# KiCad board klofi.kicad_pcb (continued)
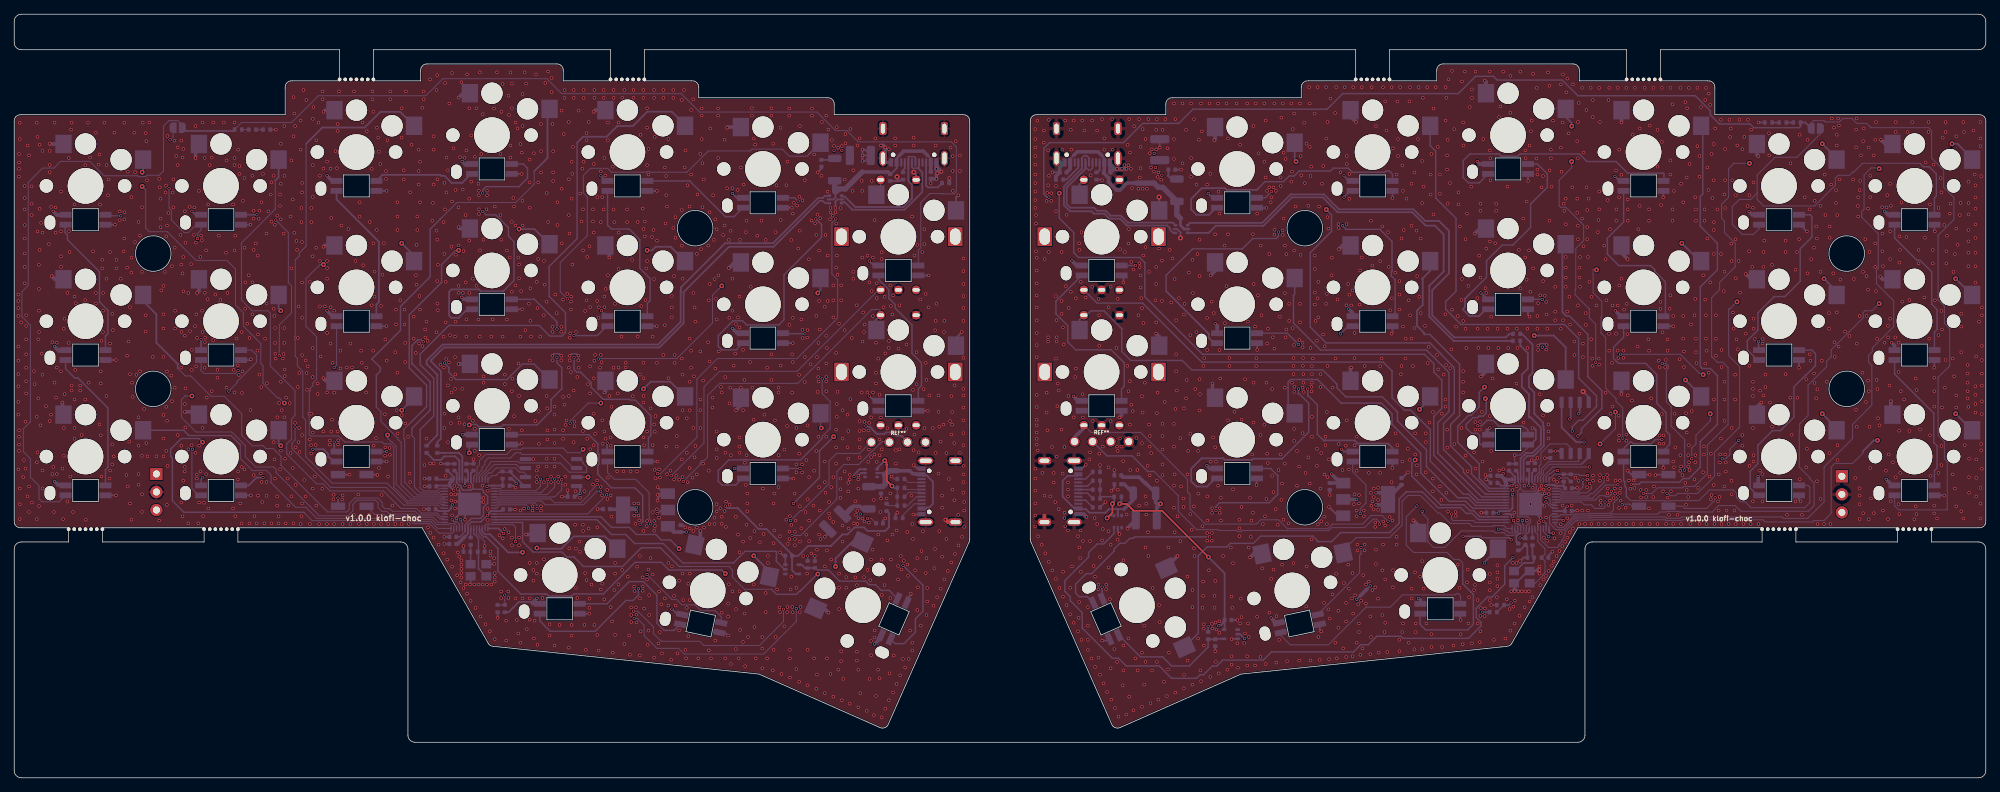
[diagram p0: board, top side]
## Routing (per net, layer and track width the routed paths; a pad name or vN(x,y) marks a point on that pad's centre or on a via; arc(x,y) is an arc through that point) (continued)
/left/VBUS_unfiltered: length 22.9
  Back w0.254: 123.18,84.9 124.08,85.8 J3.A4 124.08,87.2 124.29,87.41 124.29,87.43 124.68,87.82 ; 128.4,87.64 128.88,87.16 J3.B4 ; 114.72,81.42 115.22,81.42 115.48,81.68 115.48,82.62
  Back w0.508: 124.45,87.59 125.08,88.22 127.82,88.22 128.45,87.59 ; J3.B4 C7.1 ; 119.25,85.29 122.87,85.29 C6.1
  Back w0.762: 115.38,83.94 115.38,82.59 115.48,82.49 115.57,82.58 115.67,82.58 115.99,82.9 116.86,82.9 119.25,85.29
GND: length 167
  Front w0.508: v1(130.93,36.32) 131.04,36.32 131.36,36 J4.S4
  Back w0.152: R7.1 123.73,42.07 v1(123.38,42.42) ; v1(66.14,32.62) 66.14,33.29 65.01,34.42 U5.19 ; 127.68,37.07 127.63,37.12 J4.B1 ; 132.48,79.52 131.68,78.72
  Back w0.203: R18.2 v1(36.79,91.25) ; v1(75.68,59.42) 75.94,59.68 76.65,59.68 v1(76.91,59.42) ; C25.2 v1(112.58,31.22) ; C23.2 v1(63.18,32.62) ; v1(79.31,59.42) 79.05,59.68 78.39,59.68 v1(78.11,59.4) ; C22.2 v1(66.14,32.62)
  Back w0.254: 43.72,93.99 v1(43.49,93.75) ; v1(94.36,35.25) 94.06,35.56 C1.2 ; U5.57 64.28,38.82 v1(65.98,38.82) ; U5.57 63.67,38.88 v1(62.02,38.88) ; U5.57 62.68,39.87 62.68,40.32 62.4,40.6 v1(62.4,40.65) ; U5.57 62.18,36.71 v1(62.18,36.52) ; U5.57 64.88,39.42 v1(65.98,39.42) ; U5.57 63.39,37.93 v1(63.39,36.32) ; U5.57 63.38,37.92 v1(61.98,37.92) ; U5.57 62.65,39.9 v1(62.02,39.9) ; v1(57.67,42.12) C14.2 ; LED8.3 33.17,58.81 v1(33.28,58.92) ; SMDSW2.1 51.01,42.68 v1(51.08,42.62) ; R9.1 123.92,37.06 v1(124.18,37.32) ; C10.2 v1(60.48,32.92) ; v1(33.28,39.76) LED14.3 ; v1(118.69,42.52) 119.07,42.9 U4.2 ; EXLED1.3 128.57,70.72 v1(128.58,70.72) ; v1(71.38,47.12) 71.16,46.9 LED16.3 ; v1(33.23,51.77) 33.18,51.82 ; LED18.3 109.4,42.14 109.42,42.12 v1(109.58,42.12) ; C20.2 122.16,36.2 v1(122.48,36.52) ; LED21.3 125.48,25.13 126.08,25.72 v1(126.08,25.92) ; v1(122.99,88.5) 122.74,88.5 v1(122.49,88.75) ; C21.2 v1(121.88,39.32) ; LED5.3 90.27,82.62 90.28,82.62 v1(90.38,82.62) ; 25.49,88.74 SW2.2 ; U6.3 108.43,31.24 C24.2 108.18,31.25 v1(107.68,31.75) ; 132.43,79.75 132.43,81.69 v1(132.74,82) ; SW4.2 63.1,96.37 ; v1(64.08,27.22) 64.18,27.32 Y1.2 ; C8.2 v1(60.48,33.92) ; 127.68,37.07 v1(126.43,37.07) ; R5.1 124.68,84.21 124.49,84.02 124.24,84.02 ; U1.1 90.66,40 v1(90.48,39.82) ; U1.1 91.16,40 90.48,39.32 v1(90.48,39.02) ; U1.1 91.39,40 v1(90.48,40.92) ; v1(77.01,39.58) C3.2 77.83,40.46 v1(77.81,40.48) ; 73.4,34.25 SW19.2 ; LED11.3 v1(90.33,63.57) ; v1(80.85,23.09) LED19.3 ; C4.2 119.65,86.82 v1(119.28,86.82) v1(119.28,88.42) 119.65,88.42 C4.2 ; C4.2 v1(119.28,87.62) ; v1(115.48,80.22) 115.48,81.13 115.76,81.42 116.23,81.42 ; v1(100.38,20.02) 99.94,20.45 LED20.3 ; 124.24,84.02 C6.2 ; 124.24,84.02 124.24,84.5 v2(124.14,84.6) ; C11.2 v1(70.41,37.78) ; v1(90.48,44.52) 90.38,44.52 90.37,44.52 LED17.3 ; v1(57.61,37.82) C12.2 ; v1(71.36,85) LED4.3 ; C17.2 C18.2 60.04,44.2 v1(59.99,44.25) ; SMDSW1.1 v1(47.11,42.68) ; 96.47,33.56 SW20.2 ; v1(109.35,80.24) LED6.3 ; C5.2 113.49,85.75 v1(112.99,85.25) ; v1(52.33,63.57) LED9.3 ; 83.68,74.06 83.13,74.61 SW11.2 ; v1(113.98,33.92) 114.38,34.33 C19.2 ; EXSW2.S1 132.43,61.94 v1(133.24,62.75) ; v1(52.37,82.62) LED3.3 ; Y1.4 67.43,30.07 v1(67.48,30.12) ; v1(64.58,44.84) C9.2 C16.2 ; v1(14.18,77.86) LED1.3 ; 122.49,87.54 J3.S1 ; v2(126.49,85.25) 126.83,84.91 EXSW1.S1 ; 64.06,58.25 SW16.2 ; 6.78,51.27 SW13.2 ; J4.A1 126.98,43.52 v1(126.48,44.02) ; v1(128.88,83.72) C7.2 ; 25.58,51.52 SW14.2 ; v1(14.32,39.76) LED13.3 ; v1(96.49,34.75) 96.47,34.73 ; 5.01,89.22 v1(4.99,89.25) ; LED15.3 52.37,44.52 v1(52.38,44.52) ; v1(33.22,77.86) LED2.3 ; LED10.3 v1(71.41,65.95) ; v1(82.03,37.82) C2.2 ; v1(57.71,41.02) C13.2 ; C15.2 70.22,41.12 v1(70.49,40.85) ; v1(128.48,51.67) EXLED2.3 ; v1(109.48,61.19) LED12.3 ; R3.2 v1(67.98,22.52) ; v1(14.28,58.81) LED7.3 ; v1(72.99,44.87) 72.35,44.87
  Back w0.508: v1(25.71,68.25) 25.98,68.51 SW8.2 ; v1(121.88,89.02) 122.22,89.02 v1(122.49,88.75) 122.49,87.54 ; v1(81.49,93.75) 81.72,93.99 SW5.2 ; J3.B1 129.68,86.02 v1(130.38,85.32) ; J3.B1 v1(129.68,85.72) 129.68,85.55 129.9,85.32 v1(130.38,85.32) ; J3.B1 129.68,85.82 ; v1(82.99,54.25) 83.13,54.39 SW17.2 ; J3.A1 122.73,86.63 J3.S1 ; SW9.2 43.67,74.94 v1(43.49,74.75) ; SW3.2 43.72,93.99 ; v1(43.49,56.25) 43.85,55.89 SW15.2 ; SW1.2 5.01,89.22 ; R6.1 131.49,84.41 v1(131.48,84.42) ; 83.68,74.06 v1(83.68,73.25) ; v1(100.24,91.5) 100.34,91.6 SW6.2 ; SW21.2 113.89,23.85 v1(114.49,23.25) ; v1(5.28,70.62) 5.72,70.17 SW7.2 ; SW18.2 102.18,52.44 v1(101.49,51.75) ; SW12.2 101.29,72.55 v1(100.49,71.75) ; v1(62.49,77.52) 62.69,77.32 SW10.2 ; v1(130.38,85.32) 130.08,85.32 129.86,85.1 v1(129.79,85.1) 129.68,84.99 v1(129.68,84.32) 129.04,84.32 129.02,84.34 C7.2 ; v1(71.99,34.25) 73.4,34.25 ; v1(23.99,51.52) 25.58,51.52 ; 96.47,34.73 96.47,33.56 ; v1(25.49,87.25) 25.49,88.74 ; v1(62.49,58.25) 64.06,58.25 ; v1(6.78,52.82) 6.78,51.27 ; 63.1,96.37 v1(62.49,95.75)
  vias: v1(0.58,68.02) v1(0.58,67.12) v1(0.58,66.12) v1(0.58,65.02) v1(0.58,60.72) v1(0.58,58.72) v1(0.58,56.82) v1(0.58,55.12) v1(0.58,52.92) v1(0.58,51.12) v1(0.58,43.42) v1(0.68,87.82) v1(0.68,86.62) v1(0.68,85.72) v1(0.68,84.62) v1(0.68,48.92) v1(0.68,48.02) v1(0.68,46.92) v1(0.68,46.02) v1(0.78,92.22) v1(0.78,89.92) v1(0.78,40.72) v1(0.78,38.52) v1(0.78,36.42) v1(0.98,64.12) v1(1.28,42.32) v1(1.38,44.72) v1(1.48,83.32) v1(1.48,81.62) v1(1.48,80.02) v1(1.48,77.82) v1(1.48,75.92) v1(1.48,73.82) v1(1.48,71.92) v1(1.48,69.62) v1(1.58,50.12) v1(1.58,43.52) v1(1.68,65.12) v1(1.68,63.62) v1(1.68,61.72) v1(1.68,59.62) v1(1.68,57.72) v1(1.68,55.82) v1(1.68,54.12) v1(1.88,89.02) v1(1.88,39.62) v1(2.08,87.62) v1(2.08,41.02) v1(2.08,37.42) v1(2.46,83.25) v1(2.46,80.82) v1(2.46,79.22) v1(2.49,38.75) v1(2.78,57.25) v1(2.88,55.42) v1(3.18,92.22) v1(3.18,50.82) v1(3.18,44.42) v1(3.18,36.42) v1(3.28,90.22) v1(3.28,76.92) v1(3.28,45.82) v1(3.38,61.72) v1(3.38,53.42) v1(3.48,72.22) v1(3.48,68.82) v1(3.48,65.75) v1(3.49,62.75) v1(3.49,38.25) v1(3.58,89.12) v1(3.58,80.12) v1(3.58,74.32) v1(3.68,49.62) v1(3.78,78.12) v1(3.88,59.72) v1(3.99,88.25) v1(3.99,76.75) v1(3.97,56.73) v1(3.99,43.25) v1(3.99,40.75) v1(4.48,52.32) v1(4.88,75.12) v1(4.99,88.25) v1(4.99,86.26) v1(4.99,85.25) v1(4.99,50.22) v1(5.19,80.36) v1(5.18,51.12) v1(5.37,61.32) v1(5.37,42.75) v1(5.49,43.75) v1(5.58,37.42) v1(5.68,92.22) v1(5.68,55.62) v1(5.81,80.29) v1(5.83,76.75) v1(5.88,53.52) v1(5.99,61.25) v1(5.99,57.75) v1(5.99,42.75) v1(6.58,82.52) v1(6.58,76.92) v1(6.58,73.42) v1(6.58,71.92) v1(6.58,57.22) v1(6.78,43.52) v1(6.88,36.42) v1(6.98,63.22) v1(6.99,49.25) v1(6.98,45.32) v1(7.08,64.62) v1(7.08,54.02) v1(7.49,68.25) v1(7.48,38.92) v1(7.68,87.25) v1(7.7,76.96) v1(7.68,61.22) v1(7.78,74.02) v1(7.88,42.42) v1(7.99,91.25) v1(8.08,92.22) v1(8.08,55.22) v1(8.08,54.52) v1(8.28,37.42) v1(8.48,80.72) v1(8.49,67.75) v1(8.49,53.25) v1(8.49,49.25) v1(8.48,47.72) v1(8.58,57.42) v1(8.68,66.82) v1(9.28,55.22) v1(9.28,54.52) v1(9.49,48.25) v1(9.99,86.25) v1(9.99,67.25) v1(9.99,53.25) v1(10.08,36.32) v1(10.38,92.22) v1(10.48,55.62) v1(10.68,87.32) v1(11.08,74.12) v1(11.48,90.82) v1(11.49,68.25) v1(11.49,66.75) v1(11.88,86.32) v1(11.99,87.75) v1(11.99,49.75) v1(12.08,80.72) v1(12.18,57.22) v1(12.18,55.52) v1(12.18,48.22) v1(12.28,61.52) v1(12.28,42.42) v1(12.38,72.92) v1(12.38,71.72) v1(12.49,68.25) v1(12.49,65.75) v1(12.48,62.75) v1(12.68,92.22) v1(12.99,86.25) v1(12.99,70.25) v1(12.99,53.75) v1(13.18,82.02) v1(13.28,84.22) v1(13.38,42.12) v1(13.48,74.02) v1(13.48,61.12) v1(13.49,43.25) v1(13.78,65.32) v1(13.78,46.92) v1(13.78,44.12) v1(13.88,63.02) v1(13.99,45.25) v1(14.08,90.82) v1(14.38,72.92) v1(14.38,71.72) v1(14.85,79.73) v1(14.85,78.51) v1(14.99,70.25) v1(15.38,74.12) v1(15.48,92.22) v1(15.48,79.62) v1(15.48,78.62) v1(15.48,75.92) v1(15.78,42.62) v1(15.88,71.82) v1(15.88,59.42) v1(15.98,85.32) v1(15.98,41.02) v1(16.08,61.42) v1(16.18,47.32) v1(16.28,66.25) v1(16.28,56.82) v1(16.28,38.62) v1(16.49,81.75) v1(16.48,73.22) v1(16.48,71.12) v1(16.48,36.32) v1(16.58,55.62) v1(16.68,53.62) v1(16.88,90.82) v1(16.99,85.25) v1(16.98,75.42) v1(17.18,56.72) v1(17.49,78.25) v1(17.49,50.75) v1(17.49,46.75) v1(17.49,42.75) v1(17.49,41.25) v1(17.68,76.32) v1(17.68,57.22) v1(17.98,80.32) v1(17.97,71.22) v1(17.98,45.32) v1(17.98,39.92) v1(17.98,37.42) v1(18.08,92.22) v1(18.26,51.92) v1(18.49,90.75) v1(18.49,65.12) v1(18.49,62.82) v1(18.58,89.62) v1(18.58,47.12) v1(18.68,84.12) v1(18.74,45.25) v1(18.99,92.25) v1(19.49,59.25) v1(19.99,45.25) v1(20.38,84.32) v1(20.38,36.22) v1(20.48,83.12) v1(20.58,81.52) v1(20.58,78.72) v1(20.58,77.52) v1(20.68,68.62) v1(20.99,69.25) v1(20.99,65.25) v1(20.99,63.25) v1(20.99,59.25) v1(20.99,51.08) v1(20.99,47.75) v1(20.99,45.25) v1(21.18,71.22) v1(21.35,83.35) v1(21.28,82.42) v1(21.38,76.22) v1(21.38,52.22) v1(21.38,46.02) v1(21.49,77.75) v1(21.48,57.22) v1(21.49,50.25) v1(21.48,38.42) v1(21.57,90.34) v1(21.58,43.92) v1(21.68,79.52) v1(22.08,56.62) v1(22.18,72.02) v1(22.18,53.02) v1(22.28,82.42) v1(22.39,84.25) v1(22.38,80.32) v1(22.52,89.69) v1(22.58,74.62) v1(22.61,65.75) v1(22.61,63.25) v1(22.58,54.92) v1(22.78,87.52) v1(22.99,88.75) v1(22.99,86.25) v1(22.99,48.25) v1(23.38,76.42) v1(23.49,89.72) v1(23.49,72.25) v1(23.51,62.78) v1(23.49,57.75) v1(23.49,46.75) v1(23.49,38.75) v1(23.68,87.32) v1(23.68,71.02) v1(23.68,36.82) v1(23.78,88.52) v1(23.78,73.32) v1(23.81,68.48) v1(23.78,41.82) v1(23.99,79.75) v1(23.99,62.25) v1(23.99,52.62) v1(24.06,49.32) v1(23.99,43.75) v1(23.98,43.12) v1(24.08,75.32) v1(24.08,54.82) v1(24.49,68.25) v1(24.49,46.25) v1(24.48,35.82) v1(24.69,80.36) v1(24.71,62.88) v1(24.88,72.32) v1(24.99,60.25) v1(24.98,57.42) v1(24.96,46.82) v1(25.31,80.29) v1(25.28,76.42) v1(25.41,63.58) v1(25.49,91.75) v1(25.54,75.33) v1(25.49,45.75) v1(25.61,65.25) v1(25.58,57.92) v1(25.71,61.92) v1(25.68,42.69) v1(25.68,42.12) v1(25.88,35.82) v1(25.98,82.62) v1(25.99,46.75) v1(25.99,38.75) v1(26.18,73.32) v1(26.18,43.12) v1(26.28,76.32) v1(26.38,75.69) v1(26.41,65.75) v1(26.49,92.25) v1(26.49,62.75) v1(26.49,49.25) v1(26.55,36.83) v1(26.68,38.72) v1(26.78,87.25) v1(26.81,68.28) v1(26.83,61.95) v1(26.81,61.34) v1(26.78,57.72) v1(26.99,74.25) v1(26.99,42.75) v1(27.08,53.52) v1(27.21,67.38) v1(27.28,80.72) v1(27.28,37.92) v1(27.49,86.25) v1(27.78,87.32) v1(27.78,54.42) v1(27.99,92.25) v1(27.98,61.62) v1(28.28,68.02) v1(28.58,57.42) v1(28.58,56.32) v1(28.78,76.32) v1(28.99,67.25) v1(29.49,92.25) v1(29.78,73.92) v1(29.88,86.92) v1(29.87,54.93) v1(29.99,68.25) v1(30.78,80.72) v1(30.86,57.42) v1(30.78,37.92) v1(30.99,92.25) v1(30.99,87.25) v1(30.99,86.25) v1(30.98,74.25) v1(30.99,54.25) v1(31.08,76.32) v1(31.08,36.82) v1(31.28,61.82) v1(31.43,58.07) v1(31.44,41.99) v1(31.49,88.42) v1(31.49,43.12) v1(31.58,56.7) v1(31.68,86.12) v1(31.68,85.02) v1(31.78,38.62) v1(31.99,62.75) v1(32.01,54.18) v1(31.99,43.75) v1(31.98,35.82) v1(32.09,57.22) v1(32.18,81.22) v1(32.38,84.42) v1(32.38,74.62) v1(32.38,43.42) v1(32.49,69.75) v1(32.48,66.02) v1(32.77,63.92) v1(32.99,70.75) v1(33.08,61.92) v1(33.08,35.82) v1(33.49,84.75) v1(33.49,69.75) v1(33.49,65.25) v1(33.68,79.82) v1(33.68,78.72) v1(33.68,74.32) v1(33.68,42.62) v1(33.78,36.82) v1(33.98,75.22) v1(34.08,35.82) v1(34.24,73.5) v1(34.18,60.12) v1(34.28,62.42) v1(34.28,39.72) v1(34.39,78.7) v1(34.48,79.82) v1(34.49,56.75) v1(34.74,55) v1(34.69,42.85) v1(34.78,81.02) v1(34.79,41.65) v1(34.88,38.82) v1(34.98,85.02) v1(35.18,35.82) v1(35.28,61.82) v1(35.48,76.62) v1(35.49,66.75) v1(35.54,55.55) v1(35.49,41.65) v1(35.49,39.69) v1(35.74,79.75) v1(36.08,82.12) v1(36.18,83.82) v1(36.19,78.29) v1(36.18,35.82) v1(36.49,84.75) v1(36.49,66.02) v1(36.49,47.25) v1(36.64,77.85) v1(36.58,65.02) v1(36.6,44.82) v1(36.68,63.32) v1(36.68,61.22) v1(36.72,59.7) v1(36.68,42.12) v1(36.78,59.02) v1(36.98,79.12) v1(36.99,50.75) v1(36.98,39.62) v1(36.98,38.32) v1(37.24,52.75) v1(37.18,36.82) v1(37.18,35.82) v1(37.38,82.12) v1(37.38,80.52) v1(37.38,43.42) v1(37.49,89.25) v1(37.48,83.62) v1(37.48,78.62) v1(37.49,55.75) v1(37.49,46.06) v1(37.61,51.75) v1(37.86,59.65) v1(37.78,59.02) v1(37.88,76.62) v1(37.99,91.75) v1(37.99,84.75) v1(37.98,63.32) v1(37.98,61.22) v1(38.01,57.48) v1(38.04,56.55) v1(37.99,50.75) v1(38.08,44.92) v1(38.24,53.5) v1(38.18,35.82) v1(38.48,42.12) v1(38.58,38.32) v1(38.74,52.75) v1(38.88,79.02) v1(38.88,45.72) v1(38.98,86.92) v1(38.98,71.72) v1(38.98,39.62) v1(39.18,81.42) v1(39.18,43.62) v1(39.28,95.82) v1(39.28,90.32) v1(39.28,35.82) v1(39.38,93.52) v1(39.38,76.72) v1(39.49,91.75) v1(39.49,49.96) v1(39.58,46.52) v1(39.58,41.22) v1(39.68,75.57) v1(39.78,74.32) v1(39.88,61.92) v1(39.88,55.02) v1(39.99,66.36) v1(40.05,49.23) v1(39.99,47.25) v1(40.09,57) v1(40.12,45.88) v1(40.28,92.52) v1(40.28,88.42) v1(40.28,35.73) v1(40.38,80.22) v1(40.38,78.22) v1(40.38,36.82) v1(40.49,83.75) v1(40.48,82.42) v1(40.48,75.42) v1(40.48,69.72) v1(40.49,64.75) v1(40.49,59.5) v1(40.49,48.25) v1(40.48,38.62) v1(40.68,96.82) v1(40.78,41.92) v1(40.99,58.75) v1(40.98,39.62) v1(41.08,95.42) v1(41.11,56.98) v1(41.18,54.62) v1(41.28,57.92) v1(41.58,69.82) v1(41.58,47.62) v1(41.58,35.73) v1(41.73,46.82) v1(41.76,45.67) v1(41.78,80.22) v1(41.78,78.22) v1(41.78,51.25) v1(41.99,92.75) v1(41.99,86.25) v1(41.99,81.75) v1(41.98,73.42) v1(41.98,60.52) v1(41.98,56.42) v1(41.98,48.62) v1(41.98,40.72) v1(42.08,94.42) v1(42.28,42.42) v1(42.39,46.85) v1(42.49,89.75) v1(42.48,74.62) v1(42.48,38.32) v1(42.68,55.52) v1(42.68,54.02) v1(42.78,92.22) v1(42.88,35.73) v1(42.99,84.75) v1(42.99,72.75) v1(42.99,66.36) v1(43.08,59.32) v1(43.31,40.7) v1(43.38,96.62) v1(43.38,95.52) v1(43.49,85.75) v1(43.49,48.75) v1(43.69,66.36) v1(43.99,86.75) v1(43.99,72.75) v1(43.99,71.75) v1(43.99,70.25) v1(43.99,62.62) v1(43.99,54.25) v1(43.98,35.73) v1(44.39,47.48) v1(44.39,46.9) v1(44.49,85.75) v1(44.49,66.25) v1(44.48,61.12) v1(44.58,78.82) v1(44.58,48.72) v1(44.68,50.42) v1(44.78,58.42) v1(44.93,39.84) v1(44.88,39.22) v1(44.99,65.75) v1(44.99,54.22) v1(44.98,35.73) v1(45.18,88.22) v1(45.38,85.82) v1(45.49,92.02) v1(45.49,91.06) v1(45.49,48.75) v1(45.55,47.52) v1(45.52,46.93) v1(45.68,96.62) v1(45.88,60.12) v1(45.88,57.62) v1(45.99,77.75) v1(46.12,39.17) v1(46.18,39.75) v1(46.18,35.73) v1(46.77,57.75) v1(46.99,77.25) v1(47.28,61.12) v1(47.28,35.73) v1(47.49,57.75) v1(47.78,96.62) v1(47.78,37.02) v1(47.99,72.75) v1(48.38,39.89) v1(48.48,35.73) v1(48.58,81.02) v1(48.58,79.02) v1(48.78,60.12) v1(48.88,58.42) v1(48.99,92.25) v1(49.08,72.16) v1(49.49,57.75) v1(49.49,54.25) v1(49.58,91.02) v1(49.58,35.73) v1(49.99,78.25) v1(49.98,37.02) v1(50.28,85.72) v1(50.28,66.52) v1(50.38,96.62) v1(50.38,95.52) v1(50.49,93.75) v1(50.49,75.25) v1(50.48,60.12) v1(50.54,46.74) v1(50.58,35.73) v1(50.68,71.25) v1(50.68,67.72) v1(50.88,47.82) v1(50.99,91.52) v1(50.98,77.12) v1(51.18,90.12) v1(51.28,88.12) v1(51.28,43.62) v1(51.48,86.42) v1(51.58,66.42) v1(51.58,35.73) v1(51.68,39.82) v1(51.78,70.82) v1(51.99,75.25) v1(52.11,51.18) v1(52.14,45.34) v1(52.18,61.72) v1(52.18,46.52) v1(52.28,85.42) v1(52.28,84.32) v1(52.38,58.72) v1(52.49,89.75) v1(52.58,42.42) v1(52.58,35.73) v1(52.78,46.42) v1(52.82,45.48) v1(52.88,96.62) v1(52.88,95.52) v1(53.18,38.32) v1(53.58,59.92) v1(53.58,35.73) v1(53.68,65.92) v1(53.68,63.82) v1(53.79,51.75) v1(53.88,81.02) v1(53.88,79.02) v1(53.88,77.12) v1(53.88,57.02) v1(53.91,48.48) v1(54.28,67.22) v1(54.49,94.25) v1(54.48,90.12) v1(54.49,51.06) v1(54.48,35.73) v1(54.78,85.52) v1(54.78,84.22) v1(54.88,65.92) v1(54.88,63.82) v1(54.98,61.22) v1(54.98,58.52) v1(54.99,49.88) v1(55.08,96.62) v1(55.38,48.02) v1(55.48,35.73) v1(55.58,42.82) v1(55.68,82.42) v1(55.68,41.62) v1(55.88,89.12) v1(56.18,64.92) v1(56.18,61.82) v1(56.49,70.75) v1(56.48,59.82) v1(56.58,75.02) v1(56.58,69.42) v1(56.68,79.02) v1(56.68,77.12) v1(56.88,88.42) v1(56.88,85.42) v1(56.88,83.52) v1(56.93,61.15) v1(56.98,67.82) v1(57.08,86.72) v1(57.08,81.02) v1(57.08,65.92) v1(57.38,94.32) v1(57.39,60.77) v1(57.58,96.62) v1(57.58,95.52) v1(57.68,44.02) v1(57.78,63.12) v1(57.81,61.98) v1(57.98,64.22) v1(57.99,47.75) v1(58.13,61.5) v1(58.18,35.28) v1(58.48,98.32) v1(58.49,44.25) v1(58.51,34.48) v1(58.78,78.42) v1(58.88,80.92) v1(58.98,90.32) v1(58.98,88.42) v1(58.98,83.52) v1(58.99,44.25) v1(58.98,33.82) v1(59.38,96.82) v1(59.38,77.02) v1(59.38,62.72) v1(59.48,98.92) v1(59.49,84.25) v1(59.49,75.75) v1(59.48,69.92) v1(59.49,66.75) v1(59.58,72.22) v1(59.58,65.82) v1(59.68,32.82) v1(59.93,58.15) v1(60.38,78.22) v1(60.38,62.12) v1(60.41,57.76) v1(60.38,31.62) v1(60.49,83.75) v1(60.49,73.75) v1(60.49,51.25) v1(60.49,49.25) v1(60.58,97.82) v1(60.58,80.02) v1(60.68,69.82) v1(60.68,64.12) v1(60.74,58.96) v1(60.68,42.52) v1(60.79,87.32) v1(60.78,82.42) v1(60.88,30.72) v1(60.98,85.52) v1(60.99,55.25) v1(60.99,47.25) v1(61.13,58.48) v1(61.18,94.92) v1(61.28,62.32) v1(61.39,56.16) v1(61.41,49.92) v1(61.46,39.92) v1(61.49,74.75) v1(61.49,54.25) v1(61.47,39.03) v1(61.58,99.22) v1(61.58,81.12) v1(61.58,36.94) v1(61.58,29.72) v1(61.78,88.62) v1(61.88,41.1) v1(61.98,62.12) v1(61.98,59.22) v1(62.04,56.8) v1(61.99,54.75) v1(62.08,82.75) v1(62.11,73.63) v1(62.08,64.22) v1(62.28,28.52) v1(62.38,31.72) v1(62.48,80.32) v1(62.49,74.94) v1(62.49,69.25) v1(62.49,68.27) v1(62.49,50.75) v1(62.61,49.97) v1(62.58,31.12) v1(62.69,87.36) v1(62.78,27.52) v1(62.88,97.92) v1(62.88,30.62) v1(62.88,29.99) v1(62.88,29.42) v1(62.88,28.82) v1(62.88,28.22) v1(62.99,54.75) v1(63.08,82.82) v1(63.09,68.25) v1(63.17,74.15) v1(63.18,26.72) v1(63.31,87.29) v1(63.3,49.78) v1(63.48,79.22) v1(63.49,69.75) v1(63.48,27.22) v1(63.58,88.32) v1(63.58,64.52) v1(63.58,62.12) v1(63.68,99.02) v1(63.68,25.92) v1(63.99,94.25) v1(63.98,81.52) v1(63.99,75.62) v1(63.99,68.25) v1(63.99,50.75) v1(63.99,40.99) v1(64.18,24.92) v1(64.28,90.42) v1(64.28,83.92) v1(64.49,70.25) v1(64.49,50.25) v1(64.68,27.22) v1(64.78,87.42) v1(64.78,49.12) v1(64.78,46.02) v1(64.88,23.92) v1(64.99,94.25) v1(64.99,69.25) v1(65.28,83.62) v1(65.34,82.64) v1(65.34,82) v1(65.34,80.04) v1(65.35,79.37) v1(65.28,64.52) v1(65.3,27.22) v1(65.38,45.42) v1(65.48,99.32) v1(65.49,74.25) v1(65.48,62.12) v1(65.58,22.72) v1(65.68,87.82) v1(65.86,41.13) v1(65.88,93.42) v1(65.88,27.22) v1(65.99,75.75) v1(65.99,56.52) v1(65.99,55.61) v1(66.28,21.62) v1(66.41,80.04) v1(66.48,82.64) v1(66.48,82.02) v1(66.55,37.87) v1(66.48,27.22) v1(66.6,40.41) v1(66.6,36.29) v1(66.95,31.27) v1(66.88,20.62) v1(66.98,31.82) v1(67.08,62.12) v1(67.1,27.22) v1(67.28,64.52) v1(67.48,94.22) v1(67.48,30.92) v1(67.58,80.42) v1(67.58,28.82) v1(67.58,28.24) v1(67.58,27.62) v1(67.58,19.52) v1(67.88,99.32) v1(68.23,34.15) v1(68.38,87.82) v1(68.38,79.22) v1(68.49,93.75) v1(68.49,75.75) v1(68.48,26.22) v1(68.48,25.32) v1(68.68,97.67) v1(68.68,62.12) v1(68.68,33.72) v1(68.99,56.75) v1(68.99,55.42) v1(68.98,35.02) v1(69.18,22.12) v1(69.18,19.32) v1(69.28,74.22) v1(69.28,64.52) v1(69.49,96.02) v1(69.51,34.58) v1(69.48,26.22) v1(69.48,25.32) v1(69.58,93.32) v1(69.58,49.12) v1(69.68,73.25) v1(69.78,99.32) v1(69.78,89.02) v1(69.78,87.32) v1(69.99,97.72) v1(69.99,94.25) v1(69.99,78.25) v1(69.98,68.42) v1(70.05,56.19) v1(69.98,54.42) v1(69.99,33.82) v1(69.99,32.75) v1(70.18,81.62) v1(70.28,80.42) v1(70.28,50.92) v1(70.49,92.25) v1(70.49,77.75) v1(70.49,69.32) v1(70.49,25.25) v1(70.68,22.22) v1(70.78,91.42) v1(70.88,73.25) v1(70.91,58.33) v1(70.88,20.32) v1(70.99,72.25) v1(70.98,70.32) v1(70.99,53.75) v1(70.99,33.82) v1(70.99,32.75) v1(71.18,89.22) v1(71.18,62.12) v1(71.18,37.62) v1(71.18,19.02) v1(71.28,68.52) v1(71.38,88.02) v1(71.38,48.92) v1(71.49,96.25) v1(71.49,91.75) v1(71.48,81.22) v1(71.49,77.75) v1(71.49,25.25) v1(71.69,37.91) v1(71.78,99.32) v1(71.88,63.02) v1(71.98,97.72) v1(72.08,20.92) v1(72.38,66.72) v1(72.48,87.02) v1(72.48,83.82) v1(72.49,80.25) v1(72.49,58.75) v1(72.49,30.25) v1(72.49,25.25) v1(72.49,22.25) v1(72.58,68.92) v1(72.58,64.32) v1(72.68,62.12) v1(72.88,38.22) v1(72.88,37.62) v1(72.99,29.25) v1(72.99,27.75) v1(73.08,87.92) v1(73.08,19.62) v1(73.18,22.12) v1(73.28,50.22) v1(73.38,99.02) v1(73.48,69.82) v1(73.49,43.25) v1(73.5,42.34) v1(73.49,41.64) v1(73.49,30.25) v1(73.49,28.75) v1(73.58,66.12) v1(73.58,18.72) v1(73.68,83.82) v1(73.68,73.02) v1(73.68,43.82) v1(73.78,51.62) v1(73.78,47.02) v1(73.98,62.12) v1(74.08,92.02) v1(74.08,88.22) v1(74.08,85.22) v1(74.08,38.22) v1(74.08,37.62) v1(74.28,25.32) v1(74.49,72.75) v1(74.48,65.12) v1(74.48,41.62) v1(74.49,30.75) v1(74.58,69.42) v1(74.68,97.82) v1(74.88,82.32) v1(74.88,67.02) v1(74.88,53.75) v1(74.94,52.02) v1(74.88,44.92) v1(74.88,43.82) v1(74.98,48.92) v1(74.98,47.62) v1(75.08,99.42) v1(75.08,78.25) v1(75.28,21.62) v1(75.28,20.02) v1(75.49,42.38) v1(75.49,41.62) v1(75.58,98.52) v1(75.58,96.52) v1(75.68,92.02) v1(75.71,63.48) v1(75.71,62.78) v1(75.71,58.78) v1(75.78,88.22) v1(75.78,85.22) v1(75.78,84.02) v1(75.99,52.25) v1(75.98,51.12) v1(75.98,49.02) v1(75.98,47.12) v1(75.98,44.92) v1(75.98,43.82) v1(75.98,18.62) v1(76.08,68.02) v1(76.28,65.42) v1(76.38,81.02) v1(76.38,77.82) v1(76.49,42.41) v1(76.49,41.62) v1(76.68,21.52) v1(76.91,63.48) v1(76.91,62.78) v1(76.91,58.78) v1(76.98,93.92) v1(76.98,82.92) v1(76.99,75.25) v1(77.16,67.32) v1(77.18,53.62) v1(77.18,48.92) v1(77.18,47.72) v1(77.28,90.62) v1(77.38,96.82) v1(77.38,95.72) v1(77.38,52.52) v1(77.55,49.68) v1(77.49,42.42) v1(77.49,41.25) v1(77.68,50.29) v1(77.78,68.12) v1(77.98,92.32) v1(77.99,84.25) v1(77.98,79.22) v1(77.99,57.75) v1(77.99,53.75) v1(78.04,32.3) v1(77.98,18.32) v1(78.08,76.62) v1(78.11,61.95) v1(78.11,58.78) v1(78.18,62.57) v1(78.31,67.74) v1(78.28,67.04) v1(78.28,65.92) v1(78.28,57.12) v1(78.38,86.72) v1(78.38,81.52) v1(78.38,21.52) v1(78.38,20.02) v1(78.48,85.02) v1(78.49,72.25) v1(78.58,88.82) v1(78.68,96.82) v1(78.68,95.72) v1(78.68,54.52) v1(78.68,47.25) v1(78.78,50.12) v1(78.78,49.49) v1(78.94,40.33) v1(78.88,35.62) v1(78.99,62.76) v1(78.99,32.25) v1(78.99,26.75) v1(79.18,56.42) v1(79.18,25.32) v1(79.31,58.78) v1(79.38,93.92) v1(79.38,57.72) v1(79.49,33.25) v1(79.54,31.8) v1(79.59,82.25) v1(79.58,39.42) v1(79.78,78.32) v1(79.88,85.75) v1(79.98,80.02) v1(79.99,74.25) v1(79.98,48.82) v1(79.98,35.62) v1(79.99,34.75) v1(80.08,96.82) v1(80.08,95.72) v1(80.08,86.72) v1(80.15,40.35) v1(80.18,21.52) v1(80.28,65.72) v1(80.28,28.82) v1(80.38,18.02) v1(80.49,90.75) v1(80.49,89.75) v1(80.48,67.22) v1(80.48,27.82) v1(80.58,73.32) v1(80.58,47.72) v1(80.68,55.42) v1(80.78,92.32) v1(80.78,35.12) v1(80.88,74.82) v1(80.88,25.22) v1(80.88,23.92) v1(80.99,66.25) v1(80.98,57.92) v1(80.98,54.12) v1(80.99,46.25) v1(81.18,27.22) v1(81.38,80.02) v1(81.38,78.32) v1(81.39,41.27) v1(81.49,86.42) v1(81.49,76.75) v1(81.56,58.71) v1(81.49,56.25) v1(81.49,51.25) v1(81.48,46.82) v1(81.58,96.82) v1(81.58,95.72) v1(81.58,21.52) v1(81.68,59.52) v1(81.68,48.42) v1(81.99,81.75) v1(81.98,67.12) v1(81.97,41.85) v1(81.99,35.25) v1(81.98,20.12) v1(82.21,66.25) v1(82.18,64.75) v1(82.18,17.92) v1(82.38,57.72) v1(82.49,85.36) v1(82.48,78.22) v1(82.48,59.52) v1(82.46,40.94) v1(82.48,26.52) v1(82.58,58.52) v1(82.65,39.78) v1(82.68,81.72) v1(82.68,50.32) v1(82.76,47.02) v1(82.68,27.32) v1(82.88,96.82) v1(82.88,95.72) v1(82.88,80.02) v1(82.99,87.25) v1(82.99,67.75) v1(82.99,66.25) v1(82.99,48.75) v1(82.98,25.12) v1(83.11,84.81) v1(83.18,68.82) v1(83.18,47.72) v1(83.38,40.52) v1(83.42,39.25) v1(83.49,92.25) v1(83.49,89.75) v1(83.49,70.75) v1(83.49,42.25) v1(83.68,53.75) v1(83.88,47.92) v1(83.88,46.74) v1(83.88,39.75) v1(83.88,24.02) v1(83.99,52.22) v1(83.99,36.75) v1(84.08,22.02) v1(84.18,86.02) v1(84.18,17.62) v1(84.28,96.82) v1(84.28,95.72) v1(84.28,80.02) v1(84.28,57.72) v1(84.38,78.22) v1(84.38,26.42) v1(84.48,66.72) v1(84.49,30.25) v1(84.49,28.75) v1(84.48,20.12) v1(84.78,43.15) v1(84.88,54.12) v1(84.99,92.25) v1(84.99,76.75) v1(84.98,71.62) v1(84.99,57.75) v1(84.99,27.25) v1(85.38,62.12) v1(85.49,95.75) v1(85.49,29.25) v1(85.67,43.15) v1(85.78,96.82) v1(85.78,18.82) v1(85.98,58.42) v1(85.99,57.75) v1(86.18,80.02) v1(86.18,78.22) v1(86.28,28.32) v1(86.48,20.02) v1(86.58,17.32) v1(86.68,43.15) v1(86.74,23.96) v1(86.78,22.92) v1(86.78,21.92) v1(86.88,72.92) v1(86.98,53.72) v1(87.08,96.82) v1(87.08,95.72) v1(87.18,38.62) v1(87.18,36.92) v1(87.16,26.92) v1(87.24,26.3) v1(87.37,35.75) v1(87.42,23.99) v1(87.5,22.95) v1(87.5,21.88) v1(87.57,43.15) v1(87.58,29.72) v1(87.68,78.25) v1(87.68,62.12) v1(87.78,38.62) v1(87.78,36.92) v1(87.88,36.25) v1(87.99,56.75) v1(87.99,31.25) v1(87.99,25.25) v1(87.98,17.22) v1(88.08,90.52) v1(88.08,20.62) v1(88.18,66.42) v1(88.38,80.12) v1(88.38,28.22) v1(88.38,26.94) v1(88.38,26.32) v1(88.48,96.82) v1(88.48,95.72) v1(88.49,77.25) v1(88.48,58.42) v1(88.49,56.25) v1(88.49,53.75) v1(88.48,52.82) v1(88.49,47.92) v1(88.49,34.75) v1(88.57,46.82) v1(88.58,23.82) v1(88.68,78.32) v1(88.68,76.22) v1(88.78,67.25) v1(88.88,71.72) v1(88.95,35.43) v1(88.99,94.25) v1(88.99,91.52) v1(88.99,86.25) v1(88.99,72.75) v1(88.99,48.75) v1(88.99,36.15) v1(88.98,27.92) v1(89.08,18.72) v1(89.18,88.52) v1(89.18,84.92) v1(89.18,29.32) v1(89.18,20.72) v1(89.28,25.72) v1(89.28,22.92) v1(89.48,52.02) v1(89.48,30.92) v1(89.68,76.12) v1(89.78,62.12) v1(89.78,46.82) v1(89.81,37.41) v1(89.78,28.62) v1(89.88,77.12) v1(89.98,96.82) v1(89.98,95.72) v1(89.98,70.22) v1(89.99,49.75) v1(90.05,43.34) v1(89.99,36.15) v1(89.99,34.78) v1(89.98,16.92) v1(90.08,90.22) v1(90.08,48.72) v1(90.09,35.45) v1(90.18,50.92) v1(90.18,42.17) v1(90.38,75.62) v1(90.38,58.42) v1(90.37,37.8) v1(90.58,18.92) v1(90.68,43.42) v1(90.68,36.62) v1(90.68,26.22) v1(90.8,42.28) v1(90.78,20.52) v1(90.98,24.42) v1(91.08,17.52) v1(91.28,96.82) v1(91.28,95.72) v1(91.28,59.52) v1(91.48,85.92) v1(91.48,63.72) v1(91.49,25.25) v1(91.58,78.02) v1(91.68,84.72) v1(91.68,82.02) v1(91.68,46.62) v1(91.78,80.42) v1(91.79,42.75) v1(91.98,89.92) v1(91.99,56.25) v1(91.99,30.25) v1(91.99,24.25) v1(92.28,43.22) v1(92.38,16.62) v1(92.48,67.82) v1(92.48,66.22) v1(92.48,64.82) v1(92.49,29.75) v1(92.68,96.82) v1(92.68,95.72) v1(92.68,77.42) v1(92.78,70.62) v1(92.78,42.02) v1(92.78,25.62) v1(92.88,59.52) v1(92.88,58.42) v1(92.98,78.92) v1(92.98,76.02) v1(92.99,24.25) v1(93.08,42.52) v1(93.18,48.12) v1(93.18,46.62) v1(93.28,50.62) v1(93.28,17.52) v1(93.49,41.95) v1(93.49,27.75) v1(93.49,20.75) v1(93.88,95.42) v1(93.88,79.92) v1(93.88,74.92) v1(93.88,59.02) v1(93.88,44.82) v1(93.99,70.25) v1(93.99,56.75) v1(93.99,51.75) v1(93.97,42.34) v1(93.99,28.75) v1(94.08,25.02) v1(94.18,96.82) v1(94.28,85.92) v1(94.38,88.32) v1(94.38,18.02) v1(94.48,16.82) v1(94.58,50.62) v1(94.58,45.75) v1(94.58,23.92) v1(94.68,83.42) v1(94.69,41.62) v1(94.78,27.32) v1(94.78,19.92) v1(94.98,80.42) v1(94.98,61.82) v1(94.99,55.75) v1(94.99,51.75) v1(94.98,43.62) v1(94.97,35.1) v1(94.99,28.75) v1(94.99,25.02) v1(95.18,94.02) v1(95.18,84.92) v1(95.18,60.12) v1(95.18,57.72) v1(95.38,42.25) v1(95.48,95.52) v1(95.49,68.25) v1(95.49,49.25) v1(95.49,34.75) v1(95.58,56.52) v1(95.68,66.22) v1(95.68,45.12) v1(95.78,64.22) v1(95.78,46.72) v1(95.99,73.75) v1(95.98,42.72) v1(95.99,35.22) v1(96.08,82.12) v1(96.18,16.82) v1(96.48,87.82) v1(96.48,60.02) v1(96.49,53.25) v1(96.49,51.75) v1(96.49,49.25) v1(96.58,74.42) v1(96.68,94.22) v1(96.68,93.22) v1(96.68,89.92) v1(96.78,86.52) v1(96.78,80.32) v1(96.88,55.92) v1(96.88,44.22) v1(96.98,84.22) v1(96.99,35.25) v1(97.58,74.92) v1(97.58,61.32) v1(97.68,67.22) v1(97.68,43.22) v1(97.68,17.95) v1(97.78,79.62) v1(97.8,69.51) v1(97.78,58.62) v1(97.78,35.72) v1(97.88,91.42) v1(97.98,16.82) v1(98.18,53.52) v1(98.18,52.12) v1(98.28,82.02) v1(98.38,75.72) v1(98.49,70.19) v1(98.48,36.62) v1(98.49,35.75) v1(98.58,78.62) v1(98.58,57.62) v1(98.58,19.32) v1(98.68,67.42) v1(98.76,38.52) v1(98.78,77.22) v1(98.78,64.52) v1(98.78,48.75) v1(98.78,46.25) v1(98.78,45.02) v1(98.78,37.52) v1(98.98,94.22) v1(98.98,93.22) v1(98.99,87.25) v1(99.02,70.72) v1(99.08,60.02) v1(99.29,37.95) v1(99.38,55.02) v1(99.49,54.25) v1(99.49,36.75) v1(99.49,35.75) v1(99.49,23.25) v1(99.68,76.42) v1(99.88,89.82) v1(99.88,77.75) v1(99.89,37.55) v1(99.98,56.42) v1(99.99,45.75) v1(99.98,16.82) v1(100.09,38.87) v1(100.08,35.32) v1(100.24,83) v1(100.38,24.52) v1(100.38,22.72) v1(100.48,75.72) v1(100.55,64.75) v1(100.49,27.25) v1(100.58,52.72) v1(100.59,38.45) v1(100.74,77) v1(100.68,54.92) v1(100.78,45.42) v1(100.78,16.02) v1(100.99,83) v1(100.99,70.25) v1(100.99,65.75) v1(100.99,26.25) v1(101.18,58.02) v1(101.38,59.72) v1(101.49,63.88) v1(101.48,36.75) v1(101.49,23.75) v1(101.48,18.12) v1(101.74,82.75) v1(101.78,64.82) v1(101.78,34.22) v1(101.88,16.82) v1(101.99,67.75) v1(101.99,63.42) v1(101.99,47.92) v1(101.98,46.62) v1(101.99,45.75) v1(101.99,31.75) v1(101.99,26.25) v1(102.08,75.72) v1(102.08,20.82) v1(102.18,85.92) v1(102.18,54.92) v1(102.49,60.25) v1(102.49,51.75) v1(102.49,33.25) v1(102.48,19.12) v1(102.58,83.52) v1(102.68,56.02) v1(102.74,44.36) v1(102.68,23.12) v1(102.78,15.72) v1(102.88,76.82) v1(102.88,41.22) v1(102.98,78.42) v1(102.99,45.42) v1(102.98,35.62) v1(103.08,40.02) v1(103.08,38.62) v1(103.08,37.52) v1(103.18,19.82) v1(103.48,58.52) v1(103.49,33.75) v1(103.58,69.12) v1(103.74,94.25) v1(103.74,93.22) v1(103.78,54.92) v1(103.99,90) v1(103.98,50.42) v1(103.99,27.25) v1(104.08,34.72) v1(104.08,21.22) v1(104.18,89.12) v1(104.28,16.82) v1(104.48,76.32) v1(104.86,33.15) v1(104.98,35.62) v1(105.08,78.42) v1(105.18,19.82) v1(105.18,18.22) v1(105.18,15.42) v1(105.28,40.72) v1(105.38,34.32) v1(105.48,51.12) v1(105.68,75.72) v1(105.68,26.02) v1(105.68,23.32) v1(105.88,57.72) v1(105.88,16.82) v1(105.99,31.25) v1(105.99,30.25) v1(106.49,94.25) v1(106.49,93.22) v1(106.48,59.62) v1(106.48,56.02) v1(106.74,89.25) v1(106.68,15.12) v1(106.78,38.62) v1(106.78,33.02) v1(106.78,18.02) v1(106.88,40.02) v1(106.88,34.82) v1(106.98,50.32) v1(107.08,76.82) v1(107.08,19.82) v1(107.18,83.42) v1(107.28,26.52) v1(107.48,54.92) v1(107.49,54.25) v1(107.49,45.42) v1(107.48,40.92) v1(107.61,23.98) v1(107.74,91.5) v1(107.68,34.02) v1(107.67,23.33) v1(107.78,78.52) v1(107.78,58.02) v1(107.88,14.62) v1(108.28,46.22) v1(108.28,21.32) v1(108.56,36.32) v1(108.58,83.42) v1(108.74,86.75) v1(108.68,49.52) v1(108.71,24.04) v1(108.68,23.32) v1(108.78,32.92) v1(108.98,94.22) v1(108.98,93.22) v1(108.99,63.75) v1(109.02,34.63) v1(109.02,33.61) v1(109.07,36.84) v1(109.08,18.02) v1(109.08,16.82) v1(109.08,14.12) v1(109.18,26.52) v1(109.28,75.72) v1(109.28,35.6) v1(109.28,28.32) v1(109.38,59.62) v1(109.38,54.22) v1(109.39,24.05) v1(109.48,79.42) v1(109.49,64.75) v1(109.48,58.52) v1(109.48,23.32) v1(109.63,80.95) v1(109.74,40) v1(109.78,34.62) v1(109.78,33.62) v1(109.78,32.75) v1(109.88,36.22) v1(109.99,49.25) v1(109.98,44.12) v1(109.98,43.02) v1(109.99,26.75) v1(109.98,15.32) v1(110.09,80.57) v1(110.24,74.5) v1(110.41,81.78) v1(110.38,56.72) v1(110.38,45.62) v1(110.38,13.52) v1(110.49,91.75) v1(110.48,77.02) v1(110.48,38.22) v1(110.49,33.25) v1(110.56,24.05) v1(110.48,23.32) v1(110.68,64.52) v1(110.68,35.12) v1(110.83,81.3) v1(110.83,63.04) v1(110.78,44.12) v1(110.79,43) v1(110.88,61.92) v1(110.95,31.22) v1(111.18,84.12) v1(111.18,59.22) v1(111.18,55.72) v1(111.28,37.42) v1(111.38,44.72) v1(111.38,34.22) v1(111.55,63.02) v1(111.5,61.98) v1(111.49,28.75) v1(111.58,49.62) v1(111.58,39.22) v1(111.58,18.02) v1(111.58,13.02) v1(111.74,73) v1(111.78,42.32) v1(111.78,36.22) v1(111.78,33.32) v1(111.98,58.22) v1(112.13,78.45) v1(112.08,31.58) v1(112.18,94.22) v1(112.18,93.22) v1(112.38,38.32) v1(112.49,87.75) v1(112.48,43.22) v1(112.48,16.82) v1(112.61,78.06) v1(112.78,76.42) v1(112.78,65.05) v1(112.78,46.02) v1(112.78,12.52) v1(112.94,79.26) v1(112.88,59.22) v1(112.88,32.12) v1(112.88,14.52) v1(113.04,56.41) v1(112.98,54.32) v1(113.08,61.22) v1(113.08,57.62) v1(113.12,55.77) v1(113.08,48.02) v1(113.18,74.22) v1(113.18,67.12) v1(113.18,40.92) v1(113.18,34.25) v1(113.33,78.78) v1(113.28,63.12) v1(113.28,37.62) v1(113.38,33.62) v1(113.49,84.75) v1(113.58,92.32) v1(113.98,66.32) v1(113.98,44.52) v1(113.98,41.62) v1(113.99,29.75) v1(113.98,11.92) v1(114.08,76.42) v1(114.08,40.12) v1(114.18,93.22) v1(114.18,62.22) v1(114.18,58.32) v1(114.18,56.42) v1(114.18,55.82) v1(114.18,54.42) v1(114.18,48.02) v1(114.28,60.52) v1(114.28,32.02) v1(114.28,16.82) v1(114.38,82.52) v1(114.38,73.52) v1(114.38,67.12) v1(114.49,91.25) v1(114.58,38.82) v1(114.58,37.22) v1(114.71,78.63) v1(114.68,36.57) v1(114.78,80.22) v1(114.78,79.59) v1(114.78,14.62) v1(114.88,40.92) v1(114.88,30.72) v1(114.99,89.75) v1(115.1,79.12) v1(115.18,69.32) v1(115.18,67.22) v1(115.18,64.82) v1(115.18,42.32) v1(115.18,36.02) v1(115.18,11.42) v1(115.28,88.94) v1(115.48,79.62) v1(115.58,78.02) v1(115.58,71.82) v1(115.58,59.82) v1(115.58,49.02) v1(115.58,46.52) v1(115.58,44.22) v1(115.68,91.62) v1(115.68,73.52) v1(115.68,52.62) v1(115.68,50.82) v1(115.85,88.7) v1(115.78,70.82) v1(115.78,54.32) v1(115.88,15.22) v1(115.98,63.92) v1(115.99,28.75) v1(115.99,26.75) v1(115.99,23.75) v1(116.18,80.22) v1(116.18,42.12) v1(116.18,40.62) v1(116.18,39.42) v1(116.28,69.32) v1(116.28,67.22) v1(116.28,17.82) v1(116.28,16.42) v1(116.38,88.94) v1(116.38,10.92) v1(116.49,51.75) v1(116.49,47.75) v1(116.48,35.52) v1(116.49,33.25) v1(116.58,13.92) v1(116.78,84.22) v1(116.78,63.02) v1(116.78,43.12) v1(116.88,90.62) v1(116.88,89.32) v1(116.99,28.25) v1(116.99,26.75) v1(117.18,51.12) v1(117.18,46.52) v1(117.28,48.82) v1(117.28,44.92) v1(117.28,41.52) v1(117.28,40.32) v1(117.32,35.1) v1(117.49,42.65) v1(117.48,42.02) v1(117.48,10.42) v1(117.58,91.32) v1(117.58,53.32) v1(117.78,61.92) v1(117.88,82.62) v1(117.98,85.52) v1(117.98,71.22) v1(117.99,70.25) v1(118.08,35.82) v1(118.28,38.92) v1(118.36,37.02) v1(118.28,28.22) v1(118.48,66.52) v1(118.53,37.56) v1(118.49,27.12) v1(118.49,17.75) v1(118.49,16.51) v1(118.58,89.02) v1(118.57,35.74) v1(118.68,42.02) v1(118.68,40.72) v1(118.74,36.54) v1(118.68,15.22) v1(118.68,9.92) v1(118.88,90.02) v1(118.88,50.22) v1(118.88,48.82) v1(118.88,47.62) v1(118.88,46.52) v1(118.88,45.12) v1(118.98,11.92) v1(119.18,84.02) v1(119.24,82.62) v1(119.24,73.25) v1(119.18,54.25) v1(119.28,61.42) v1(119.28,36.52) v1(119.38,65.52) v1(119.49,62.75) v1(119.54,50.1) v1(119.48,48.92) v1(119.53,36.08) v1(119.49,28.25) v1(119.58,63.82) v1(119.88,9.42) v1(119.99,73.5) v1(119.98,54.27) v1(119.99,29.25) v1(120.1,48.89) v1(120.08,44.48) v1(120.24,69.75) v1(120.22,49.96) v1(120.18,46.22) v1(120.18,35.93) v1(120.28,13.92) v1(120.38,27.82) v1(120.49,50.75) v1(120.49,45.15) v1(120.48,30.72) v1(120.49,19.25) v1(120.49,17.25) v1(120.58,84.02) v1(120.58,68.52) v1(120.74,73.25) v1(120.74,65) v1(120.74,54.25) v1(120.68,32.12) v1(120.88,39.12) v1(120.96,19.76) v1(120.88,8.82) v1(120.99,78.5) v1(120.98,45.52) v1(120.99,20.75) v1(121.08,90.02) v1(121.18,61.25) v1(121.18,57.02) v1(121.18,55.52) v1(121.18,11.52) v1(121.28,69.62) v1(121.28,67.52) v1(121.28,44.48) v1(121.49,59) v1(121.49,34.25) v1(121.48,15.22) v1(121.68,53.92) v1(121.68,47.62) v1(121.68,45.4) v1(121.68,14.02) v1(121.78,37.42) v1(121.88,50.72) v1(121.99,74) v1(121.98,73.02) v1(121.99,46.25) v1(121.98,30.72) v1(121.99,25.75) v1(121.98,8.52) v1(122.24,66.25) v1(122.38,67.72) v1(122.38,27.12) v1(122.49,59.75) v1(122.48,9.72) v1(122.68,39.32) v1(122.78,49.22) v1(122.78,33.42) v1(122.99,61.5) v1(122.98,60.52) v1(122.98,10.92) v1(123.08,14.72) v1(123.18,69.32) v1(123.18,40.02) v1(123.18,25.32) v1(123.28,66.42) v1(123.28,30.72) v1(123.49,65.25) v1(123.49,34.25) v1(123.58,67.92) v1(123.58,12.02) v1(123.68,17.22) v1(123.88,90.02) v1(123.88,89.02) v1(123.98,46.12) v1(123.98,44.22) v1(124.08,34.82) v1(124.08,13.22) v1(124.28,29.82) v1(124.28,27.92) v1(124.38,60.42) v1(124.48,66.52) v1(124.49,46.25) v1(124.58,14.42) v1(124.68,31.22) v1(124.74,29.34) v1(124.98,16.72) v1(125.1,30.53) v1(125.28,15.52) v1(125.49,61) v1(125.48,49.12) v1(125.58,34.62) v1(125.59,30.02) v1(125.68,28.42) v1(125.78,16.72) v1(125.98,20.72) v1(126.24,79) v1(126.18,39.72) v1(126.28,35.72) v1(126.28,19.02) v1(126.28,17.92) v1(126.38,54.62) v1(126.38,33.62) v1(126.48,90.12) v1(126.48,89.02) v1(126.48,46.12) v1(126.58,73.52) v1(126.58,48.32) v1(126.68,29.22) v1(126.88,59.92) v1(126.88,55.42) v1(126.99,75) v1(126.98,30.92) v1(126.98,23.62) v1(127.08,26.82) v1(127.18,45.82) v1(127.38,67.32) v1(127.48,21.42) v1(127.58,31.92) v1(127.68,74.02) v1(127.78,34.72) v1(127.88,54.72) v1(127.98,77.22) v1(127.98,75.12) v1(127.98,49.22) v1(128.18,68.12) v1(128.18,58.42) v1(128.18,28.82) v1(128.28,56.02) v1(128.28,30.92) v1(128.28,22.92) v1(128.38,26.72) v1(128.38,24.82) v1(128.58,66.22) v1(128.68,53.82) v1(129.18,49.22) v1(129.28,24.22) v1(129.38,29.52) v1(129.49,63) v1(129.48,32.22) v1(129.58,89.02) v1(129.58,64.32) v1(129.58,45.72) v1(129.68,66.72) v1(129.78,25.42) v1(129.98,53.82) v1(129.98,51.52) v1(129.98,42.82) v1(130.08,49.42) v1(130.08,34.72) v1(130.28,47.32) v1(130.28,26.62) v1(130.48,39.72) v1(130.48,38.02) v1(130.48,31.12) v1(130.74,62.75) v1(130.68,49.72) v1(130.78,64.32) v1(130.78,27.92) v1(131.08,45.72) v1(131.08,33.62) v1(131.28,29.12) v1(131.43,42.07) v1(131.58,50.22) v1(131.68,88.72) v1(131.78,53.72) v1(131.78,48.32) v1(131.78,30.32) v1(131.88,51.52) v1(131.88,49.72) v1(131.93,40.57) v1(131.98,87.52) v1(131.98,85.42) v1(131.98,82.62) v1(132.24,55.25) v1(132.18,47.12) v1(132.18,39.07) v1(132.28,31.52) v1(132.38,89.62) v1(132.74,37) v1(132.78,32.72) v1(132.98,87.62) v1(132.98,85.42) v1(132.99,45.75) v1(133.28,33.92) v1(133.48,73.12) v1(133.48,71.32) v1(133.48,69.52) v1(133.48,67.82) v1(133.48,66.12) v1(133.48,64.32) v1(133.48,59.12) v1(133.48,54.75) v1(133.48,53.82) v1(133.48,52.12) v1(133.48,50.32) v1(133.48,48.52) v1(133.48,46.82) v1(133.48,43.92) v1(133.48,42.72) v1(133.48,41.62) v1(133.48,40.12) v1(133.58,38.82) v1(133.58,37.62) v1(133.58,35.32)